# Altium PCB GameBoard_V1I1_Phase1.PcbDoc (part 16 of 18) (continued)
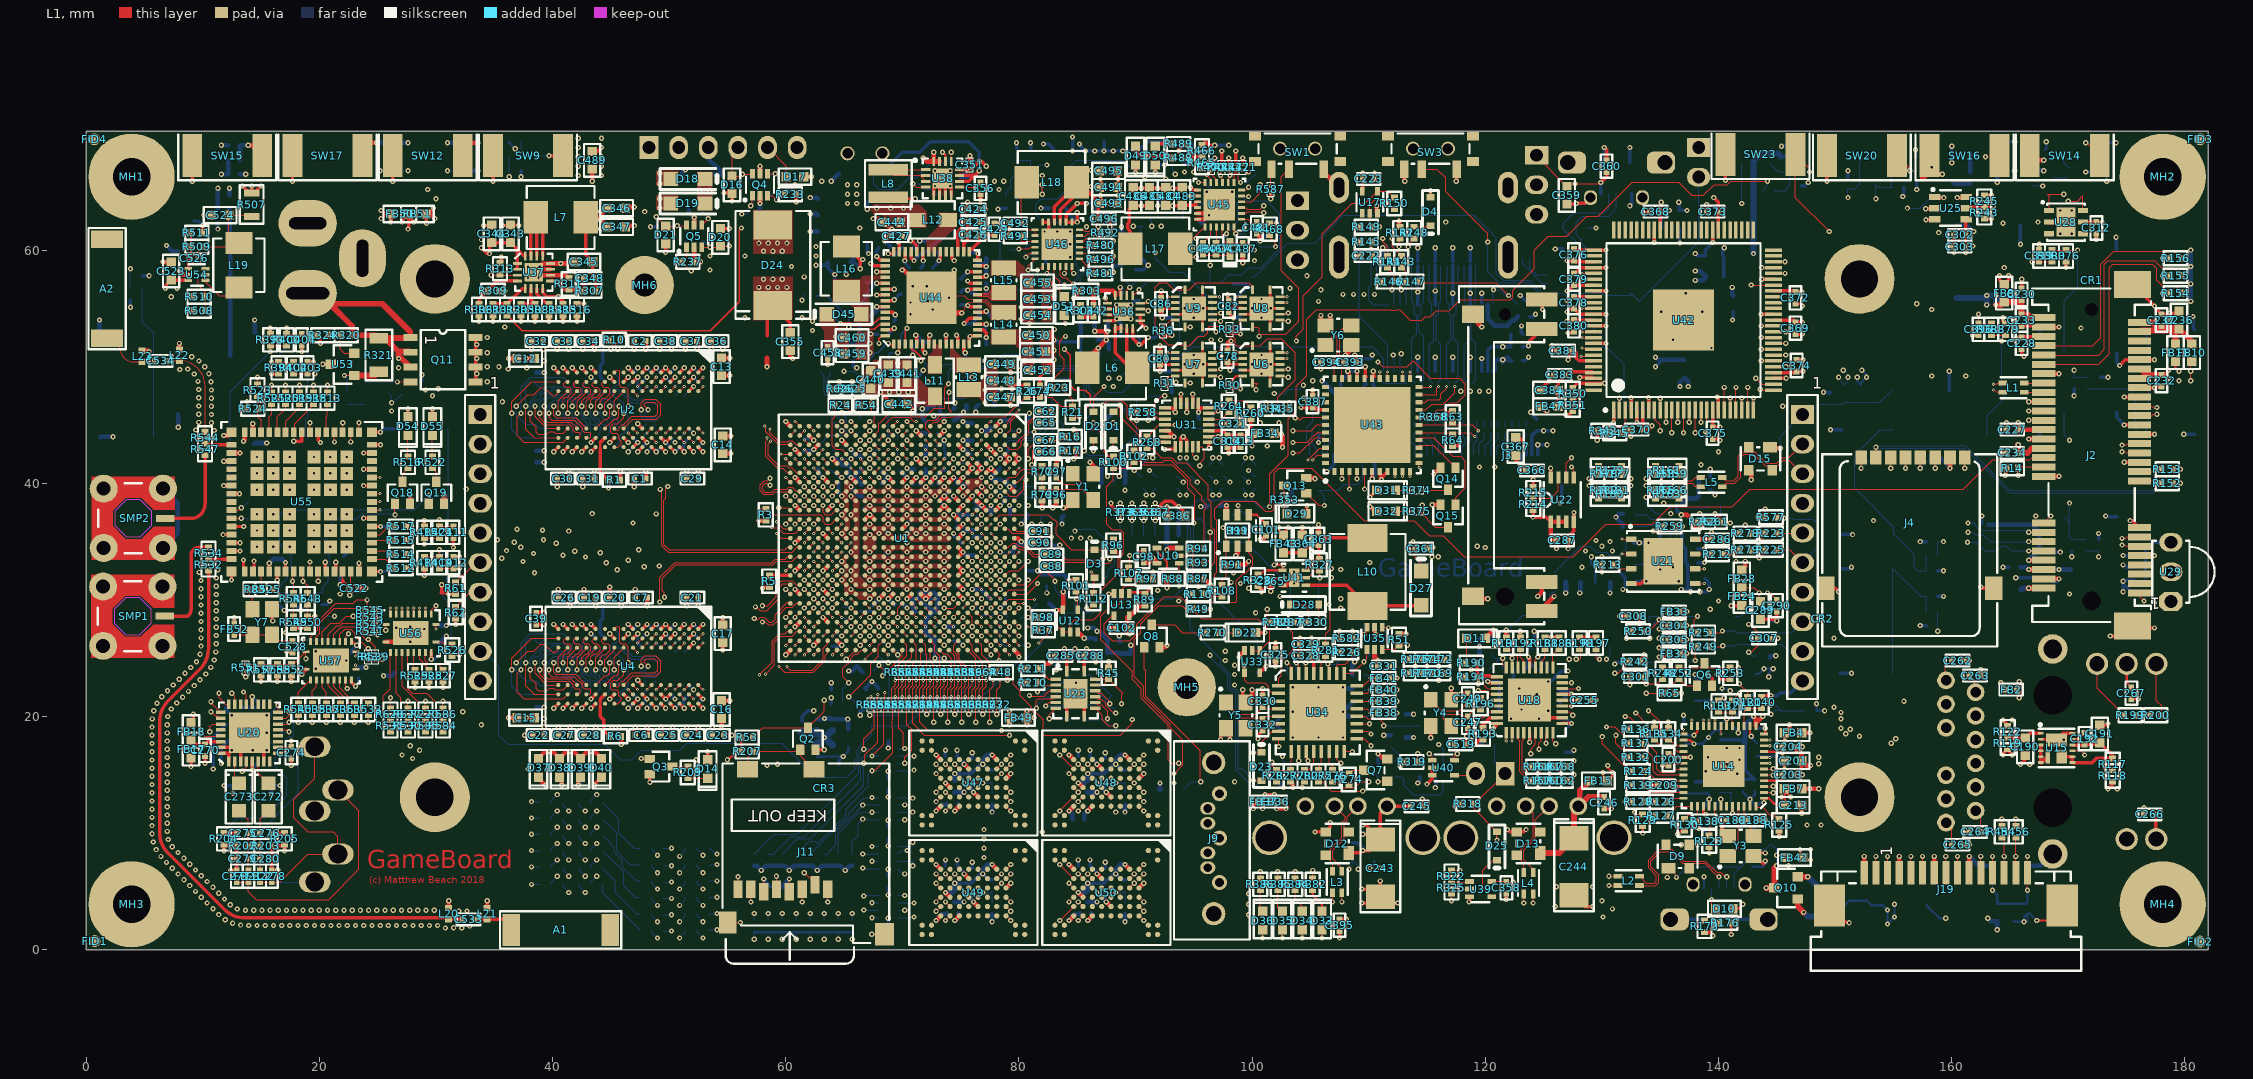
[diagram p0: L1 view]
## Nets (pads, with @x,y where several pads share a name; then routed paths per layer and width w, separated by ;. In a path a pad name is that pad's centre, name@x,y a point inside that pad or via, vN(x,y) a via of type N, cw(c..) or ccw(c..) an arc to the next point about the centre after c; other vN are vias at no path point) (continued)
  L2 w0.1: v4(67.7,43.2) v3(68,42.9)
SD2_BT_EN: R621.1 R624.1 | length 70.2
  L3 w0.1: v1(21.3,28.6) 22.17,28.6 23.5,29.93 23.5,31.5 24.4,32.4 24.4,35.1 23.425,36.075 23.425,37.155 23.8,37.53 23.8,39.27 24.175,39.645 24.175,39.955 24,40.13 24,40.8 27.3,44.1 27.3,49.7 29.2,51.6 33.27,51.6 33.345,51.525 33.912,51.525 34.162,51.775 34.975,51.775 36.4,53.2 37.483,53.2 38.041,53.758 38.112,53.758 38.345,53.525 38.655,53.525 38.93,53.8 39.27,53.8 39.545,53.525 39.855,53.525 40.13,53.8 40.47,53.8 40.745,53.525 41.055,53.525 41.33,53.8 41.67,53.8 41.945,53.525 42.255,53.525 42.53,53.8 54.817,53.8 55.217,53.4 59.88,53.4 63.68,49.6 v1(65,49.6)
  L12 w0.1: R624.1@20.7,28.6 v1(21.3,28.6) ; v1(65,49.6) 65.87,49.6 66.395,49.075 66.725,49.075 R621.1@67.1,48.7
SD2_CD: Q2.3 R53.1 U1.R6 | length 34.7
  L1 w0.093: R53.1@57.2,18.2 58.05,19.05 Q2.3@61.9,19.05 63.3,20.45 v1(63.3,21.4) ; U1.R6@68.4,40.9 v2(68.8,41.3)
  L10 w0.093: v1(63.3,21.4) 63.55,21.15 64.375,21.15 64.772,21.546 64.772,21.87 65.166,22.264 65.573,22.264 66.172,22.863 66.172,22.872 66.997,23.697 66.997,24.669 67.927,25.6 68.829,25.6 69.229,26 69.229,26.276 69.607,26.655 69.607,27.98 70.029,28.401 70.029,28.7 70.2,28.872 70.554,28.872 70.9,29.218 70.9,31.998 70.77,32.128 70.246,32.128 70,32.375 70,40.1 v2(68.8,41.3)
SD2_CDn: J11.9 J11.10 Q2.1 R207.1 | length 9
  L1 w0.093: 56,16.2 J11.10@56.725,15.475 56.725,16.525 R207.1@57.2,17 61.1,17 Q2.1@61.25,17.15 61.25,16.65 J11.9@62.425,15.475
SD2_CLK: R56.2 R613.2 R614.2 | length 39.9
  L10 w0.093: v1(52.9,6.6) 54.5,6.6 60,12.1 60.656,12.1 61.763,13.207 63.88,13.207 65.917,15.244 65.917,15.917 66.829,16.829 66.854,16.829 67.967,17.942 68.355,17.942 68.471,18.057 68.712,18.057 70.6,19.946 70.6,20.48 71.885,21.765 78.69,21.765 79.172,22.246 79.172,22.746 79.372,22.946 79.372,22.97 79.983,23.582 80.49,23.582 80.7,23.792 80.7,26.1 v2(80.8,26.1)
  L12 w0.093: R613.2@52.4,7.3 52.4,7.1 v1(52.9,6.6) ; R56.2@80.1,26.1 v2(80.8,26.1)
SD2_CLK_BOOT: R613.1 R619.1 | length 14.2
  L3 w0.093: v1(42.8,10.5) 43.436,9.865 46.436,9.865 47.829,8.471 49.176,8.471 49.84,7.807 50.02,7.807 50.256,7.572 50.354,7.572 50.625,7.3 v1(54.1,7.3)
  L12 w0.093: R619.1@42.3,11.2 42.3,11 v1(42.8,10.5)
  L12 w0.1: R613.1@53.4,7.3 v1(54.1,7.3)
SD2_CLK_R: R56.1 U1.C21 | length 3.5
  L1 w0.093: U1.C21@78,28.9 v2(78.4,28.5)
  L12 w0.093: v2(78.4,28.5) 78.4,26.4 78.7,26.1 R56.1@79.1,26.1
SD2_CLK_WIFI: R573.1 R614.1 | length 16.3
  L3 w0.1: v1(38.2,11.3) 39.897,9.604 43.146,9.604 43.274,9.475 46.203,9.475 48.281,7.397 49.476,7.397 49.825,7.048 49.825,7.045 50.17,6.7 50.8,6.7 v1(50.9,6.6)
  L12 w0.093: v1(50.9,6.6) 51.4,7.1 R614.1@51.4,7.3
  L12 w0.1: v1(38.2,11.3) R573.1@38.9,11.3
SD2_CMD: R52.1 R55.2 R611.2 R612.2 | length 48.1
  L10 w0.093: v1(52.9,2.4) 53.1,2.2 54.3,2.2 55.4,3.3 55.4,4.4 56.507,5.507 56.507,6.38 59.841,9.714 62.987,9.714 68.193,14.92 68.193,15.41 68.236,15.453 68.236,15.534 68.566,15.865 68.647,15.865 69.4,16.617 69.4,17.36 71.179,19.139 71.179,20.24 71.828,20.889 78.633,20.889 79.951,22.207 80.207,22.207 80.747,22.747 80.747,23.02 81.45,23.722 81.45,24.694 81.693,24.937 81.693,27.034 80.7,28.027 80.8,28.127 80.7,28.227 80.8,28.327 v2(80.8,28.5)
  L12 w0.093: R611.2@52.4,3.1 52.4,2.9 v1(52.9,2.4) ; R55.2@80.1,28.5 v2(80.8,28.5) R52.1@81.612,28.5
SD2_CMD_BOOT: R611.1 R617.1 | length 14.2
  L3 w0.093: v1(42.8,6.3) 43.3,5.8 45.754,5.8 47.383,4.171 49.351,4.171 49.435,4.087 49.435,4.083 49.915,3.604 50.124,3.604 50.627,3.1 v1(54.1,3.1)
  L12 w0.093: R617.1@42.3,7 42.3,6.8 v1(42.8,6.3)
  L12 w0.1: R611.1@53.4,3.1 v1(54.1,3.1)
SD2_CMD_R: R55.1 U1.F19 | length 5
  L1 w0.093: U1.F19@75.6,30.5 v2(76,30.1)
  L12 w0.093: v2(76,30.1) 76.4,29.7 76.4,28.9 76.6,28.7 77.8,28.7 78,28.9 78.7,28.9 R55.1@79.1,28.5
SD2_CMD_WIFI: R571.1 R612.1 | length 16.3
  L3 w0.1: v1(38.2,7.1) 39.889,5.411 45.589,5.411 47.996,3.004 49.396,3.004 50,2.4 v1(50.9,2.4)
  L12 w0.093: v1(50.9,2.4) 51.4,2.9 R612.1@51.4,3.1
  L12 w0.1: v1(38.2,7.1) R571.1@38.9,7.1
SD2_DATA0: R603.2 R604.2 U1.A22 | length 50.2
  L1 w0.093: U1.A22@79.6,28.1 v2(80,27.7)
  L10 w0.093: v1(52.9,1) 53.925,1 54.471,1.546 54.471,1.571 56.4,3.5 56.4,4.5 56.7,4.8 56.7,6.3 59.921,9.521 63.067,9.521 68.386,14.84 68.386,14.986 68.429,15.028 68.429,15.454 68.646,15.672 68.727,15.672 69.593,16.537 69.593,17.28 71.372,19.059 71.372,20.16 71.812,20.6 78.617,20.6 80.031,22.014 80.287,22.014 80.94,22.667 80.94,22.94 81.643,23.643 81.643,24.614 81.9,24.871 81.9,27.1 81.172,27.828 81.172,28.654 80.954,28.871 80.929,28.871 80.9,28.9 80.5,28.9 80.3,28.7 80.3,28 v2(80,27.7)
  L12 w0.093: R603.2@52.4,1.7 52.4,1.5 v1(52.9,1)
SD2_DATA0_BOOT: R229.1 R603.1 | length 14.2
  L3 w0.093: v1(42.8,4.9) 45.6,4.9 47.693,2.807 49.315,2.807 49.919,2.204 50.196,2.204 50.7,1.7 v1(54.1,1.7)
  L12 w0.093: R229.1@42.3,5.6 42.3,5.4 v1(42.8,4.9)
  L12 w0.1: R603.1@53.4,1.7 v1(54.1,1.7)
SD2_DATA0_WIFI: R563.1 R604.1 | length 16.2
  L3 w0.1: v1(38.2,5.6) 39.6,4.2 45.4,4.2 48,1.6 49.4,1.6 50,1 v1(50.9,1)
  L12 w0.093: v1(50.9,1) 51.4,1.5 R604.1@51.4,1.7
  L12 w0.1: v1(38.2,5.6) R563.1@38.9,5.6
SD2_DATA1: R605.2 R606.2 U1.E20 | length 53.3
  L1 w0.093: v2(76,29.3) U1.E20@76.4,29.7
  L10 w0.093: v1(52.9,3.8) 54.375,3.8 56.314,5.739 56.314,6.46 59.761,9.907 62.907,9.907 68,15 68,16.409 68.429,16.838 68.429,17.454 68.646,17.671 68.872,17.671 70.986,19.786 70.986,20.32 71.833,21.167 78.638,21.167 79.871,22.4 80.127,22.4 80.554,22.827 80.554,23.1 81.1,23.646 81.1,25.602 81.465,25.966 81.465,26.635 80.8,27.3 79.875,27.3 79.6,27.575 79.6,28.375 80.372,29.146 80.372,29.525 80.197,29.7 77.7,29.7 77.172,30.229 77.172,30.254 76.954,30.472 76.928,30.472 76.9,30.5 76.6,30.5 76.4,30.3 76.4,29.7 v2(76,29.3)
  L12 w0.093: R605.2@52.4,4.5 52.4,4.3 v1(52.9,3.8)
SD2_DATA1_BOOT: R559.1 R605.1 | length 14.3
  L3 w0.093: v1(42.8,7.7) 43.173,7.7 43.673,7.2 46.227,7.2 47.827,5.6 49.422,5.6 49.436,5.587 49.436,5.483 50.147,4.772 50.354,4.772 50.625,4.5 v1(54.1,4.5)
  L12 w0.093: R559.1@42.3,8.4 42.3,8.2 v1(42.8,7.7)
  L12 w0.1: R605.1@53.4,4.5 v1(54.1,4.5)
SD2_DATA1_WIFI: R565.1 R606.1 | length 16.3
  L3 w0.1: v1(38.2,8.5) 39.889,6.811 45.789,6.811 48.004,4.596 49.481,4.596 49.825,4.253 49.825,4.245 50.045,4.025 50.253,4.025 50.478,3.8 v1(50.9,3.8)
  L12 w0.093: v1(50.9,3.8) 51.4,4.3 R606.1@51.4,4.5
  L12 w0.1: v1(38.2,8.5) R565.1@38.9,8.5
SD2_DATA2: R607.2 R608.2 U1.A23 | length 42.7
  L1 w0.093: U1.A23@79.6,27.3 v2(80,26.9)
  L10 w0.093: v1(52.9,5.2) 54,5.2 58.9,10.1 60.787,10.1 63.487,12.8 64.6,12.8 67.028,15.228 67.028,15.53 67.264,15.766 67.264,15.946 68.236,16.917 68.236,17.55 68.551,17.864 68.792,17.864 70.793,19.866 70.793,20.4 71.875,21.482 78.68,21.482 79.365,22.166 79.365,22.456 79.565,22.656 79.565,22.89 79.983,23.309 80.49,23.309 80.907,23.726 80.907,25.682 81.272,26.046 81.272,26.428 80.8,26.9 v2(80,26.9)
  L12 w0.093: R607.2@52.4,5.9 52.4,5.7 v1(52.9,5.2)
SD2_DATA2_BOOT: R561.1 R607.1 | length 14.3
  L3 w0.093: v1(42.8,9.1) 42.8,9 43.336,8.464 46.636,8.464 48.129,6.971 49.351,6.971 49.436,6.887 49.436,6.883 50.147,6.171 50.354,6.171 50.625,5.9 v1(54.1,5.9)
  L12 w0.093: R561.1@42.3,9.8 42.3,9.6 v1(42.8,9.1)
  L12 w0.1: R607.1@53.4,5.9 v1(54.1,5.9)
SD2_DATA2_WIFI: R567.1 R608.1 | length 16.3
  L3 w0.1: v1(38.2,9.9) 40,8.1 43.149,8.1 43.174,8.075 45.925,8.075 48.003,5.997 49.576,5.997 49.825,5.748 49.825,5.645 50.045,5.425 50.675,5.425 v1(50.9,5.2)
  L12 w0.093: v1(50.9,5.2) 51.4,5.7 R608.1@51.4,5.9
  L12 w0.1: v1(38.2,9.9) R567.1@38.9,9.9
SD2_DATA3: R609.2 R610.2 U1.B22 | length 40.1
  L1 w0.093: U1.B22@78.8,28.1 v2(79.2,27.7)
  L10 w0.093: v1(52.9,8.1) 53.2,7.8 54.9,7.8 59.393,12.293 60.493,12.293 61.4,13.2 61.4,13.4 63.8,13.4 64.36,13.96 64.36,14.1 65.724,15.464 65.724,15.997 66.329,16.601 66.329,17.354 66.634,17.659 67.226,17.659 67.701,18.135 68.275,18.135 68.391,18.25 68.632,18.25 70.407,20.026 70.407,20.607 71.809,22.009 77.383,22.009 78.846,23.471 78.871,23.471 79.629,24.229 79.629,27.272 v2(79.2,27.7)
  L12 w0.093: R609.2@52.4,8.8 52.4,8.6 v1(52.9,8.1)
SD2_DATA3_BOOT: R609.1 R615.1 | length 14.7
  L3 w0.093: v1(42.8,11.9) 43.4,11.3 46.913,11.3 48.806,9.407 50.293,9.407 50.9,8.8 53.5,8.8 v1(54.1,8.2)
  L12 w0.093: R615.1@42.3,12.6 42.3,12.4 v1(42.8,11.9)
  L12 w0.1: R609.1@53.4,8.8 54,8.2 v1(54.1,8.2)
SD2_DATA3_WIFI: R569.1 R610.1 | length 16.3
  L3 w0.1: v1(38.2,12.7) 38.7,12.7 40.489,10.911 46.067,10.911 47.978,9 49.378,9 49.825,8.553 49.825,8.545 50.045,8.325 50.575,8.325 v1(50.9,8)
  L12 w0.093: v1(50.9,8) 51.4,8.5 R610.1@51.4,8.7
  L12 w0.1: v1(38.2,12.7) R569.1@38.9,12.7
SD2_WP: R54.1 R620.2 R621.2 U1.T1 | length 4.2
  L1 w0.1: v1(67.4,47.3) R54.1@67.4,46.7 67.4,46.183 67.6,45.983 U1.T1@67.6,44.9
  L12 w0.1: v1(67.4,47.3) 67.725,47.625 67.725,48.325 R620.2@68.1,48.7
SD2_WP_BOOT: R208.2 R620.1 R622.1 | length 2.5
  L12 w0.1: R620.1@69.1,48.7 69.6,48.2 R208.2@71.4,48.2
SEL: SW1.2 U6.7 U7.7 U8.7 U9.7 | length 38.7
  L1 w0.1: U7.7@94.25,48.6 v1(94.7,48.6) ; U9.7@94.25,53.4 v1(94.7,53.4) ; U6.7@100.05,48.6 100.5,48.6 100.345,48.445 v1(100.345,48.025) ; U8.7@100.05,53.4 100.5,53.4 100.6,53.3 v1(100.6,52.6) 100.8,52.8 102.9,52.8 104,53.9 104,56.717 102.5,58.217 102.5,66.3 SW1.2@103.15,66.95
  L10 w0.1: v1(100.345,48.025) 100.07,48.3 99.33,48.3 99.155,48.475 98.845,48.475 98.67,48.3 96.917,48.3 96.617,48.6 v1(94.7,48.6) 94.625,48.675 94.625,53.325 v1(94.7,53.4) 95.93,53.4 96.705,52.625 97.055,52.625 97.105,52.675 98.255,52.675 98.368,52.562 98.425,52.562 98.887,52.1 99.65,52.1 100.15,52.6 v1(100.6,52.6)
SEL_L1: C415.1 R424.1 U43.27 | length 84.6
  L1 w0.1: U43.27@110.95,49 v3(110.95,49.55)
  L3 w0.1: v4(110.95,49.1) 111.197,49.1 111.482,49.385 111.718,49.385 111.885,49.218 111.885,49.215 112.4,48.7 114.67,48.7 115.07,48.3 116.5,48.3 116.6,48.4 116.6,49.4 116.675,49.475 120.952,49.475 121.127,49.3 122.038,49.3 122.088,49.25 127.745,49.25 127.945,49.45 128.255,49.45 128.455,49.25 129.546,49.25 129.846,49.55 130.624,49.55 130.954,49.88 130.954,50.334 132.825,52.205 132.825,52.335 133.865,53.375 133.995,53.375 134.12,53.5 138.392,53.5 140.992,56.1 147.549,56.1 150.049,53.6 155.2,53.6 v1(157,55.4)
  L10 w0.1: v1(157,55.4) 157,51.555 158.955,49.6 158.955,41.145 158.8,40.99 v1(158.8,27.3)
  L2 w0.1: v4(110.95,49.1) v3(110.95,49.55)
  L12 w0.1: v1(158.8,27.3) C415.1@158.8,27.8 R424.1@158.8,29
SEL_L2: C414.1 R428.1 U43.26 | length 76.5
  L1 w0.1: U43.26@111.6,49 v3(111.6,49.55)
  L3 w0.1: v4(111.6,49.1) 112.2,48.5 113.517,48.5 113.917,48.1 116.9,48.1 117.4,48.6 117.4,48.718 117.567,48.885 117.803,48.885 118.034,48.654 118.358,48.654 118.404,48.7 118.921,48.7 119.096,48.875 119.613,48.875 119.813,49.075 120.204,49.075 120.787,49.075 120.962,48.9 121.872,48.9 121.922,48.85 122.067,48.85 122.917,48 128.862,48 130.012,49.15 130.789,49.15 131.354,49.715 131.354,50.168 133.225,52.039 133.225,52.17 134.03,52.975 134.161,52.975 134.286,53.1 138.616,53.1 141.116,55.6 147.3,55.6 148.3,54.6 148.483,54.6 150.017,53.066 155.734,53.066 157.569,54.9 v1(158.3,54.9)
  L10 w0.1: v1(158.3,54.9) 158.3,51.9 159.3,50.9 v1(159.3,35)
  L2 w0.1: v4(111.6,49.1) v3(111.6,49.55)
  L12 w0.1: R428.1@158.8,33.8 C414.1@158.8,35 v1(159.3,35)
SEL_R1: C412.1 R419.1 U43.23 | length 185.4
  L1 w0.1: R419.1@30.3,32.7 C412.1@31.5,32.7 v1(32,32.7) ; U43.23@113.55,49 v3(113.55,49.55)
  L3 w0.1: v1(29.3,65.2) 42,65.2 42.5,64.7 45.9,64.7 46.4,65.2 50.1,65.2 50.2,65.3 51.521,65.3 52.196,65.975 55.004,65.975 55.279,65.7 56.831,65.7 57.331,65.2 57.497,65.2 57.672,65.375 59.744,65.375 60.075,65.044 60.543,65.044 60.562,65.025 61.072,65.025 61.447,65.4 64.4,65.4 65.1,66.1 67.934,66.1 69.509,64.525 70.363,64.525 70.888,64 71.312,64 71.837,64.525 75.816,64.525 78.291,67 80.4,67 80.5,66.9 80.5,64.651 81.151,64 82.5,64 84.325,62.175 84.638,62.175 84.975,61.838 84.975,61.495 85.368,61.102 85.368,60.632 85.525,60.475 86.205,60.475 87.305,61.575 88.421,61.575 88.875,61.121 88.875,60.921 88.921,60.875 92.158,60.875 93.108,61.825 93.959,61.825 94.534,62.4 94.7,62.4 98.675,66.375 99.313,66.375 99.588,66.1 100.387,66.1 100.462,66.175 100.938,66.175 101.013,66.1 105.517,66.1 107.017,67.6 109.19,67.6 109.39,67.4 111.183,67.4 112.725,65.858 112.725,65.745 114.17,64.3 118.783,64.3 119.183,63.9 120.949,63.9 122.449,62.4 122.9,62.4 123.6,61.7 125.9,61.7 126.9,60.7 130.463,60.7 130.925,60.238 130.925,59.587 131.725,58.787 131.725,51.953 130.354,50.582 130.354,50.15 129.598,50.15 129.298,49.85 128.704,49.85 128.504,50.05 127.696,50.05 127.496,49.85 122.336,49.85 122.286,49.9 121.376,49.9 121.201,50.075 113.942,50.075 113.817,50.2 113.75,50.2 v4(113.55,50) ; v1(29.7,47.5) 29.2,47 29.2,41.478 29.793,40.885 29.793,39.693 30.168,39.318 30.168,37.465 29.925,37.222 29.925,36.175 30.9,35.2 30.9,34.2 31.432,33.668 31.432,33.465 32,32.897 v1(32,32.7)
  L10 w0.1: v1(29.3,65.2) 29.3,63.9 32.804,60.396 32.804,60.096 33.533,59.367 33.533,54.516 30,50.983 30,50.7 29.7,50.4 v1(29.7,47.5)
  L2 w0.1: v3(113.55,49.55) v4(113.55,50)
SEL_R2: C411.1 R421.1 U43.24 | length 176.2
  L1 w0.1: v1(30.3,36.9) R421.1@30.3,36.3 C411.1@31.5,36.3 ; U43.24@112.9,49 v3(112.9,49.55)
  L3 w0.1: v1(30,64.4) 47.1,64.4 47.6,64.9 50.317,64.9 50.517,65.1 51.604,65.1 52.279,65.775 54.921,65.775 55.196,65.5 56.749,65.5 57.249,65 57.58,65 57.755,65.175 59.661,65.175 60.011,64.825 61.155,64.825 61.53,65.2 64.483,65.2 64.983,65.7 68.051,65.7 69.726,64.025 70.58,64.025 70.805,63.8 71.395,63.8 71.92,64.325 72.051,64.325 73.876,62.5 76.37,62.5 76.945,61.925 77.255,61.925 78.005,62.675 78.555,62.675 78.855,62.375 83.325,62.375 84.025,61.675 ; v1(30.2,48.1) 30.368,47.932 30.368,39.862 31.075,39.155 31.075,38.845 30.368,38.138 30.368,36.968 v1(30.3,36.9) ; 84.025,61.445 84.025,61.675 ; v4(112.9,50) 112.965,50.065 113.265,50.065 113.265,50.118 113.547,50.4 113.9,50.4 114.025,50.275 121.284,50.275 121.459,50.1 122.369,50.1 122.419,50.05 127.413,50.05 127.613,50.25 128.587,50.25 128.787,50.05 129.215,50.05 129.515,50.35 130.154,50.35 130.154,50.665 131.525,52.036 131.525,52.896 131.325,53.096 131.325,58.904 130.725,59.504 130.725,60.155 130.38,60.5 124.517,60.5 122.817,62.2 122.366,62.2 120.866,63.7 119.1,63.7 118.7,64.1 114.087,64.1 112.525,65.662 112.525,65.775 111.1,67.2 106.9,67.2 105.6,65.9 100.93,65.9 100.855,65.975 100.545,65.975 100.47,65.9 99.43,65.9 99.155,66.175 98.845,66.175 94.87,62.2 94.617,62.2 93.417,61 93.1,61 92.775,60.675 88.838,60.675 88.675,60.838 88.675,61.038 88.338,61.375 87.388,61.375 86.183,60.17 85.451,60.17 85.168,60.453 85.168,61.019 84.775,61.412 84.775,61.755 84.555,61.975 84.245,61.975 84.025,61.755 84.025,61.675
  L10 w0.1: v1(30,64.4) 30.804,63.596 30.804,62.919 33.004,60.719 33.004,60.179 33.9,59.283 33.9,54.6 30.2,50.9 v1(30.2,48.1)
  L2 w0.1: v3(112.9,49.55) v4(112.9,50)
SENSE_1V5: R90.1 R95.2 U11.5 | length 2.9
  L1 w0.1: U11.5@98.75,37.3 98.8,37.35 v1(98.8,38.1)
  L12 w0.1: R90.1@98.3,37.2 98.8,37.7 v1@98.8,37.9 ; v1(98.8,38.1) v1@98.8,37.9 ; R95.2@99.5,37.2 v1@98.8,37.9
SLOW_CLK: R525.1 U57.1 | length 11.1
  L1 w0.1: R525.1@16,30.9 16.2,30.9 v1(17,30.1) ; v3(23.1,25.2) 23.15,25.25 U57.1@23.15,25.55
  L3 w0.1: v1(17,30.1) 17.2,30.3 19.8,30.3 20.55,29.55 20.55,27.7 v4(22.75,25.5)
  L2 w0.1: v4(22.75,25.5) 22.8,25.5 v3(23.1,25.2)
SPLIT: C307.1 R241.1 R244.2 R246.2 | length 6.4
  L1 w0.1: v1(142.6,25.5) 142.8,25.5 143.4,26.1 143.4,26.6 143.4,27.2 142.7,27.9 v1(142.6,27.9)
  L12 w0.1: v1(142.6,25.5) 142.9,25.2 R241.1@143.3,25.2 ; v1(142.6,27.9) 142.9,28.2 R246.2@143.3,28.2 144.2,29.1 R244.2@144.2,29.3
SPLIT_R: R244.1 U26.5 | length 2.1
  L12 w0.1: U26.5@141.4,28.605 141.905,28.605 142.5,29.2 143.1,29.2 R244.1@143.2,29.3
SRC_BOOT_CFG_00: R642.1 U1.L20 | length 10.2
  L1 w0.093: v3(71.2,30.1) U1.L20@71.6,29.7
  L1 w0.1: R642.1@70.3,21.265 70.3,22.4 70.6,22.7 v3(70.6,23.1)
  L3 w0.1: v4(70.6,23.635) 71.2,24.235 71.2,24.803 71,25.003 71,25.831 71.4,26.231 71.4,29.7 v4(71.5,29.8)
  L2 w0.1: v3(70.6,23.1) v4(70.6,23.635) ; v3(71.2,30.1) v4(71.5,29.8)
SRC_BOOT_CFG_01: R643.1 U1.J25 | length 2.3
  L1 w0.093: U1.J25@73.2,25.7 73.529,25.371 73.829,25.371 74.2,25 74.2,24.365 R643.1@73.9,24.065
SRC_BOOT_CFG_02: R644.1 U1.L21 | length 8.7
  L1 w0.093: U1.L21@71.6,28.9 v3(72,28.5)
  L1 w0.1: R644.1@72.1,21.265 72.1,22.4 72.4,22.7 v3(72.4,23.1)
  L3 w0.1: v4(72.3,28.2) 72,27.9 72,25.983 71.6,25.583 71.6,25.251 71.9,24.951 71.9,24.734 72,24.634 72,24.314 72.4,23.914 v4(72.4,23.635)
  L2 w0.1: v3(72,28.5) v4(72.3,28.2) ; v3(72.4,23.1) v4(72.4,23.635)
SRC_BOOT_CFG_03: R645.1 U1.K24 | length 2.8
  L1 w0.093: U1.K24@72.4,26.5 72.8,26.1 72.8,25.582 73.228,25.154 73.228,24.137 R645.1@73.3,24.065
SRC_BOOT_CFG_04: R646.1 U1.L22 | length 8
  L1 w0.093: U1.L22@71.6,28.1 v3(72,27.7)
  L1 w0.1: R646.1@73.3,21.265 73.3,22.4 73.6,22.7 v3(73.6,23.1)
  L3 w0.1: v4(72.3,27.4) 72.5,27.2 72.5,26.803 72.585,26.718 72.585,26.482 72.5,26.397 72.5,25.917 72.3,25.717 72.3,24.907 73.572,23.635 v4(73.6,23.635)
  L2 w0.1: v3(72,27.7) v4(72.3,27.4) ; v3(73.6,23.1) v4(73.6,23.635)
SRC_BOOT_CFG_05: R647.1 U1.L23 | length 7.2
  L1 w0.093: U1.L23@71.6,27.3 v3(72,26.9)
  L1 w0.1: R647.1@72.7,21.265 72.7,22.4 73,22.7 v3(73,23.1)
  L3 w0.1: v4(72.3,26.6) 72.3,26 71.8,25.5 71.8,25.334 72.1,25.034 72.1,24.817 72.3,24.617 72.3,24.335 v4(73,23.635)
  L2 w0.1: v3(72,26.9) v4(72.3,26.6) ; v3(73,23.1) v4(73,23.635)
SRC_BOOT_CFG_06: R648.1 U1.K25 | length 1.8
  L1 w0.093: U1.K25@72.4,25.7 72.4,24.711 72.7,24.411 R648.1@72.7,24.065
SRC_BOOT_CFG_07: R649.1 U1.L25 | length 1.7
  L1 w0.093: R649.1@71.5,24.065 71.5,24.4 71.6,24.5 U1.L25@71.6,25.7
SRC_BOOT_CFG_08: R650.1 U1.L24 | length 2.6
  L1 w0.093: U1.L24@71.6,26.5 72,26.1 72,25.4 72.1,25.3 R650.1@72.1,24.065
SRC_BOOT_CFG_09: R651.1 U1.M21 | length 10.1
  L1 w0.093: U1.M21@70.8,28.9 v3(71.2,28.5)
  L1 w0.1: R651.1@67.9,21.265 v3(67.9,21.9)
  L3 w0.1: v4(67.9,22.435) 68.365,22.9 68.552,22.9 68.915,23.263 68.915,23.836 69.804,24.725 70.025,24.725 70.175,24.875 70.175,25.096 70.2,25.121 70.2,26.163 70.4,26.363 70.4,26.9 70.015,27.285 70.015,27.568 70,27.583 70,28 70.125,28.125 70.825,28.125 v4(70.9,28.2)
  L2 w0.1: v3(67.9,21.9) v4(67.9,22.435) ; v4(70.9,28.2) v3(71.2,28.5)
SRC_BOOT_CFG_10: R652.1 U1.M22 | length 8.3
  L1 w0.093: U1.M22@70.8,28.1 v3(71.2,27.7)
  L1 w0.1: R652.1@68.5,21.265 v3(68.5,22.067)
  L3 w0.1: v4(68.5,22.6) 68.6,22.7 68.635,22.7 69.115,23.18 69.115,23.47 69.138,23.494 69.115,23.517 69.115,23.753 69.887,24.525 70.141,24.525 70.375,24.759 70.375,25.013 70.4,25.038 70.4,26.08 70.615,26.295 70.615,26.718 70.782,26.885 70.785,26.885 70.9,27 v4(70.9,27.4)
  L2 w0.1: v3(68.5,22.067) v4(68.5,22.6) ; v4(70.9,27.4) v3(71.2,27.7)
SRC_BOOT_CFG_11: R653.1 U1.M20 | length 10.1
  L1 w0.093: U1.M20@70.8,29.7 v3(71.2,29.3)
  L1 w0.1: R653.1@69.7,21.265 69.7,22.4 70,22.7 v3(70,23.1)
  L3 w0.1: v4(70,23.635) 70.135,23.635 70.8,24.3 70.8,25.914 71.2,26.314 71.2,27.7 71.185,27.715 71.185,28.965 70.9,29.25 v4(70.9,29.6)
  L2 w0.1: v3(70,23.1) v4(70,23.635) ; v4(70.9,29.6) v3(71.2,29.3)
SRC_BOOT_CFG_12: R654.1 U1.M24 | length 2.7
  L1 w0.093: U1.M24@70.8,26.5 71.2,26.1 71.2,24.8 70.9,24.5 R654.1@70.9,24.065
SRC_BOOT_CFG_13: R655.1 U1.M23 | length 7.1
  L1 w0.093: U1.M23@70.8,27.3 v3(71.2,26.9)
  L1 w0.1: R655.1@69.1,21.265 69.1,22.4 69.4,22.7 v3(69.4,23.1)
  L3 w0.1: v4(69.4,23.635) 70.09,24.325 70.224,24.325 70.575,24.676 70.575,24.81 70.6,24.835 70.6,25.997 70.9,26.297 v4(70.9,26.6)
  L2 w0.1: v3(69.4,23.1) v4(69.4,23.635) ; v4(70.9,26.6) v3(71.2,26.9)
SRC_BOOT_CFG_14: R656.1 U1.N23 | length 7.8
  L1 w0.093: U1.N23@70,27.3 v3(70.4,26.9)
  L1 w0.1: R656.1@67.3,21.265 v3(67.3,21.7)
  L3 w0.1: v4@67.3,22.316 68.084,23.1 68.469,23.1 68.715,23.346 68.715,23.919 69.721,24.925 69.848,24.925 69.975,25.052 69.975,25.179 70,25.204 70,26.246 70.2,26.446 70.2,26.5 v4(70.1,26.6)
  L2 w0.1: v3(67.3,21.7) v4(67.3,22.235) ; v4(70.1,26.6) v3(70.4,26.9)
SRC_BOOT_CFG_15: R657.1 U1.N24 | length 2.9
  L1 w0.1: R657.1@69.7,24.065 69.7,24.5 70.4,25.2 70.4,26.1 U1.N24@70,26.5
SRC_BOOT_CFG_16: R658.1 U1.H25 | length 1.8
  L1 w0.093: U1.H25@74,25.7 74.5,25.2 R658.1@74.5,24.065
SRC_BOOT_CFG_17: R661.1 U1.G24 | length 2.9
  L1 w0.1: U1.G24@74.8,26.5 74.4,26.1 74.4,25.578 74.697,25.281 74.697,24.786 75.1,24.382 R661.1@75.1,24.065
SRC_BOOT_CFG_18: R660.1 U1.J22 | length 10
  L1 w0.093: v3(72.8,28.5) U1.J22@73.2,28.1
  L1 w0.1: R660.1@76.3,21.265 76.3,22.283 76.6,22.583 v3(76.6,23.1)
  L3 w0.1: v4(73.1,28.2) 73.225,28.075 73.755,28.075 73.975,27.855 73.975,27.411 74.585,26.801 74.585,25.315 75.097,24.803 75.432,24.803 v4(76.6,23.635)
  L2 w0.1: v3(72.8,28.5) v4(73.1,28.2) ; v3(76.6,23.1) v4(76.6,23.635)
SRC_BOOT_CFG_19: R659.1 U1.G25 | length 2
  L1 w0.1: U1.G25@74.8,25.7 74.8,25.461 74.896,25.364 74.896,24.869 R659.1@75.7,24.065
SRC_BOOT_CFG_20: R662.1 U1.H22 | length 8.6
  L1 w0.093: U1.H22@74,28.1 v3(74.4,27.7)
  L1 w0.1: R662.1@76.9,21.265 76.9,22.3 77.2,22.6 v3(77.2,23.1)
  L3 w0.1: v4(74.7,27.4) 74.775,27.325 75.375,27.325 75.625,27.075 75.625,26.525 76,26.15 76,25.179 77.2,23.979 v4(77.2,23.635)
  L2 w0.1: v3(74.4,27.7) v4(74.7,27.4) ; v3(77.2,23.1) v4(77.2,23.635)
SRC_BOOT_CFG_21: R663.1 U1.H23 | length 7
  L1 w0.093: U1.H23@74,27.3 v3(74.4,26.9)
  L1 w0.1: R663.1@75.1,21.265 75.1,22.334 75.4,22.634 v3(75.4,23.1)
  L3 w0.1: v4(74.1,26.6) 74.185,26.515 74.185,25.149 74.931,24.403 74.997,24.403 75.4,24 v4(75.4,23.635)
  L2 w0.1: v4(74.1,26.6) v3(74.4,26.9) ; v3(75.4,23.1) v4(75.4,23.635)
SRC_BOOT_CFG_22: R664.1 U1.F24 | length 3
  L1 w0.093: U1.F24@75.6,26.5 76,26.1 76,25.6 76.9,24.7 R664.1@76.9,24.065
SRC_BOOT_CFG_23: R665.1 U1.J21 | length 9.6
  L1 w0.093: v3(72.8,29.3) U1.J21@73.2,28.9
  L1 w0.1: R665.1@73.9,21.265 73.9,22.3 74.2,22.6 v3(74.2,23.1)
  L3 w0.1: v4(73.1,29) 72.8,28.7 72.8,25.862 73.2,25.462 73.2,24.635 v4(74.2,23.635)
  L2 w0.1: v3(72.8,29.3) v4(73.1,29) ; v3(74.2,23.1) v4(74.2,23.635)
SRC_BOOT_CFG_24: R666.1 U1.F25 | length 1.9
  L1 w0.093: U1.F25@75.6,25.7 76.3,25 R666.1@76.3,24.065
SRC_BOOT_CFG_25: R667.1 U1.M25 | length 1.8
  L1 w0.093: R667.1@70.3,24.065 70.3,24.6 70.8,25.1 U1.M25@70.8,25.7
SRC_BOOT_CFG_26: R668.1 U1.K22 | length 9
  L1 w0.093: U1.K22@72.4,28.1 v3(72.8,27.7)
  L1 w0.1: R668.1@75.7,21.265 75.7,22.369 76,22.669 v3(76,23.1)
  L3 w0.1: v4(73.1,27.4) 73.2,27.3 73.803,27.3 74.385,26.718 74.385,25.232 75.014,24.603 75.349,24.603 76,23.952 v4(76,23.635)
  L2 w0.1: v3(72.8,27.7) v4(73.1,27.4) ; v3(76,23.1) v4(76,23.635)
SRC_BOOT_CFG_27: R669.1 U1.K21 | length 9.4
  L1 w0.093: v3(72,29.3) U1.K21@72.4,28.9
  L1 w0.1: R669.1@71.5,21.265 71.5,22.4 71.8,22.7 v3(71.8,23.1)
  L3 w0.1: v4(71.8,23.635) 71.8,24.551 71.7,24.651 71.7,24.869 71.4,25.169 71.4,25.666 71.8,26.066 71.8,28.5 v4(72.3,29)
  L2 w0.1: v3(71.8,23.1) v4(71.8,23.635) ; v3(72,29.3) v4(72.3,29)
SRC_BOOT_CFG_28: R670.1 U1.K23 | length 7.3
  L1 w0.093: U1.K23@72.4,27.3 v3(72.8,26.9)
  L1 w0.1: R670.1@74.5,21.265 74.5,22.3 74.8,22.6 v3(74.8,23.1)
  L3 w0.1: v4(73.1,26.6) 73.1,26.083 73.225,25.958 73.225,25.945 73.445,25.725 73.775,25.725 73.985,25.515 73.985,24.915 74.8,24.1 v4(74.8,23.635)
  L2 w0.1: v3(72.8,26.9) v4(73.1,26.6) ; v3(74.8,23.1) v4(74.8,23.635)
SRC_BOOT_CFG_29: R671.1 U1.K20 | length 10.5
  L1 w0.093: U1.K20@72.4,29.7 v3(72.8,30.1)
  L1 w0.1: R671.1@70.9,21.265 70.9,22.4 71.2,22.7 v3(71.2,23.1)
  L3 w0.1: v4(71.2,23.635) 71.2,23.9 71.6,24.3 71.6,24.469 71.5,24.569 71.5,24.786 71.2,25.086 71.2,25.749 71.6,26.149 71.6,28.9 v4(72.5,29.8)
  L2 w0.1: v3(71.2,23.1) v4(71.2,23.635) ; v4(72.5,29.8) v3(72.8,30.1)
SRC_BOOT_CFG_30: R672.1 U1.E22 | length 8.3
  L1 w0.093: U1.E22@76.4,28.1 v3(76.8,27.7)
  L1 w0.1: R672.1@78.1,21.3 78.1,22.3 78.4,22.6 v3(78.4,23.135)
  L3 w0.093: 76.4,26.4 76.4,27.3 v4(76.5,27.4)
  L3 w0.1: 76.4,26.4 76.4,25.7 76.604,25.497 76.604,25.141 77.737,24.007 78.093,24.007 78.4,23.7 v4(78.4,23.67)
  L2 w0.1: v4(76.5,27.4) v3(76.8,27.7) ; v3(78.4,23.135) v4(78.4,23.67)
SS_1V375: R302.2 U36.7 | length 1.4
  L1 w0.3: v1(88.7,56.8) 88.7,56.16 U36.7@88.75,56.11
  L12 w0.3: v1(88.7,56.8) 88.8,56.7 R302.2@88.8,56.2
SS_3V3_HDR: R314.2 U37.7 | length 1.8
  L1 w0.3: U37.7@38.65,56.69 38.65,56.25 39.5,55.4 R314.2@39.7,55.4
Status1: D50.1 U45.4 | length 15
  L1 w0.1: U45.4@99.1,64.15 99.95,64.15 100.7,64.9 v1(100.7,65.6)
  L1 w0.3: v1(91.7,66.65) D50.1@91.7,67.3
  L10 w0.1: v1(91.7,66.65) 91.7,66.03 92.055,65.675 93.105,65.675 93.605,66.175 95.675,66.175 96.5,67 96.5,67.1 100.4,67.1 100.7,66.8 v1(100.7,65.6)
Status2: D49.1 U46.4 | length 24
  L1 w0.1: U46.4@83.55,58.6 83.525,58.575 83.525,57.845 83.745,57.625 84.075,57.625 84.6,57.1 v1(84.7,57.1)
  L1 w0.3: v1(90,66.65) D49.1@90,67.3
  L12 w0.1: v1(84.7,57.1) 84.6,57.2 85.075,57.675 85.075,58.525 84.9,58.7 84.9,61.1 84.775,61.225 84.245,61.225 84.025,61.445 84.025,61.675 83.3,62.4 82.1,62.4 81.5,63 81.5,64 81.9,64.4 83.3,64.4 84.3,65.4 84.3,67.1 84.9,67.7 88.95,67.7 v1(90,66.65)
STBY_OR_USER_LED_3: D23.1 R286.1 U34.7 | length 4.1
  L1 w0.093: v1(100.1,16.9) 100.781,16.9 D23.1@100.8,16.919 100.8,17.8 101.725,18.725 U34.7@102.275,18.725
  L12 w0.093: v1(100.1,16.9) R286.1@100.8,16.9
SW1: C480.2 D46.2 D48.1 L17.1 U45.19 U45.20 | length 11.5
  L1 w0.1: v1(95.2,59.4) 94.537,59.4 L17.1@93.837,60.1 94.05,60.1 U45.19@95.95,62 ; v1(95.2,60.2) 95.6,60.6 C480.2@95.8,60.6 96.45,61.25 U45.20@96.45,62
  L12 w0.1: D48.1@93.375,59.6 93.8,59.6 v1(95.2,61) ; v1(95.2,59.4) 95.579,59.4 D46.2@96.079,59.9 95.779,60.2 v1(95.2,60.2)
SW1CFB: R431.2 U44.13 | length 1.6
  L1 w0.3: U44.13@75.25,51.95 75.25,51.35 v2(75.4,51.2)
  L12 w0.3: v2(75.4,51.2) 75.4,50.7 R431.2@75.6,50.5
SW1CLX: L13.2 U44.11
SW1LX: L11.1 U44.8 U44.9
SW2: C492.2 D52.1 L18.1 U46.19 U46.20 | length 9.7
  L1 w0.1: U46.20@81.4,61.25 U46.19@81.4,61.75 80.75,61.75 C492.2@80.2,62.3 80.2,65.337 L18.1@80.663,65.8 80.863,65.6 v1(82,65.6) ; v1(82,64.8) v1(82,65.6) ; v1(82,66.4) v1(82,65.6)
  L12 w0.1: v1(82,65.6) 82.875,65.6 D52.1@83,65.725
SW2LX: L15.1 U44.22
SW3LX: L12.1 U44.35 U44.36
SW4LX: L14.1 U44.21
SW_1V8WIFI: L19.1 U54.4 | length 3.8
  L1 w0.1: U54.4@10.24,57.4 10.24,57.26 11.4,56.1 12.4,56.1 L19.1@13.1,56.8
SW_EP: U15.3 U15.4 U15.5 U15.6 U15.14 | length 2.3
  L1 w0.3: U15.3@167.64,17.55 U15.4@167.64,17.05 U15.5@167.64,16.55 U15.6@167.64,16.05 167.71,16.05 U15.14@168.23,16.57
SWBSTLX: D45.2 L16.2 U44.46
SYNC_1V375: R295.1 R298.2 U36.4 | length 3.1
  L1 w0.1: U36.4@90.41,55.45 90.95,55.45 v1(91.1,55.6)
  L12 w0.1: v1(91.1,55.6) 91.1,55.5 R298.2@91.8,54.8 91.6,54.6 R295.1@91.6,53.6
SYNC_3V3_HDR: R306.1 R309.2 U37.4 | length 4.3
  L1 w0.3: R306.1@33.7,55.4 33.7,55.8 R309.2@34.4,56.5 35.25,57.35 U37.4@36.99,57.35
SYS2: C493.1 C494.1 C495.1 C496.1 L18.2 TP51.1 U46.15 U46.16 | length 17.4
  L1 w0.3: U46.16@83.05,62.4 83.05,63.712 L18.2@84.938,65.6 ; U46.15@83.55,62.4 83.55,63.45 84.938,64.838 L18.2@84.938,65.6 ; L18.2@85.5,65.5 85.55,65.45 v1(86.2,65.45) 86.9,65.45 C494.1@86.95,65.4 87,65.45 v1(87,66.1) ; L18.2@85.5,66.9 85.55,66.85 v1(86.2,66.85) 86.9,66.85 C495.1@86.95,66.8 87,66.85 C495.1@87.05,66.8 ; C496.1@86.8,62.7 86.8,63.85 C493.1@86.95,64 ; v1(87,64.7) 87,64.05 C493.1@86.95,64 ; L18.2@84.938,65.6 L18.2@84.938,65.8 85.15,65.8 C493.1@86.95,64
  L12 w0.3: v1(86.2,65.45) 86.85,65.45 TP51.1@86.9,65.4